# Allegro board MB1209_REVD_160617_FAB4.brd (continued)
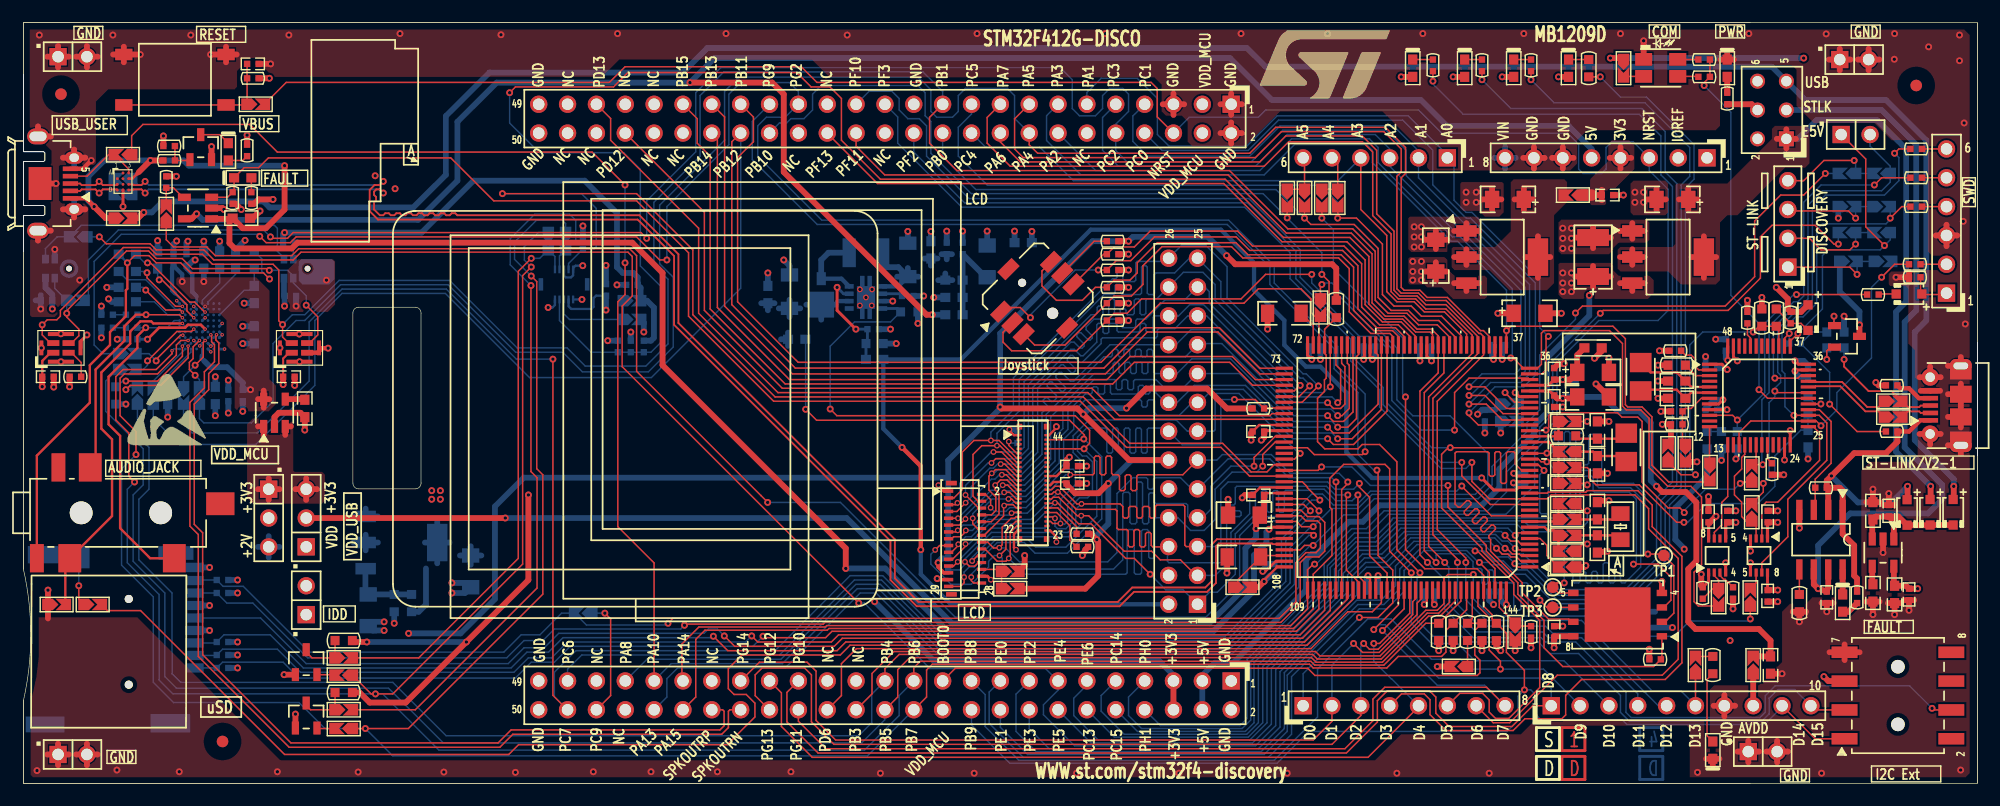
[diagram p0: board, top side]
## Routing (per net, layer and track width the routed paths; a pad name or vN(x,y) marks a point on that pad's centre or on a via; arc(x,y) is an arc through that point) (continued)
VDD: length 288.3
  TOP w0.178: C13.1 22.86,37.41 23.37,37.93 U5.1
  TOP w0.203: 1.65,35.81 1.66,35.82 1.66,37.21 2.38,37.93 U4.1 ; C72.1 91.69,26.54 90.68,26.54 90.4,26.26 90.11,26.26 CN8.33
  TOP w0.254: U10.1 148.35,17.79 R58.1 ; C36.2 153.53,17.03 U11.8
  TOP w0.279: C28.1 149.85,22.85 U10.5
  TOP w0.305: v1(80.52,19.43) 80.52,19.05 81.02,18.54 CN15.25
  TOP w0.508: R31.1 115.57,45.36 115.21,45.72 106.68,45.72 v1(105.92,46.48) ; U12.8 134.75,12.95 C37.1 v1(134.75,11.94) ; R72.2 v1(143.13,11.81) ; TR1.2 v1(23.94,6.1) ; v1(130.05,11.68) 129.67,12.06 R70.1 ; v1(158.5,9.4) 158.89,9 CN10.5 ; v1(95.5,26.42) 94.64,25.55 92.58,25.55 91.87,26.26 91.87,26.37 C72.1 ; v1(132.72,11.94) R71.1 ; R23.1 v1(97.28,47.75) ; v1(85.98,33.15) 86.11,33.02 92.79,33.02 v1(93.29,32.51) 97.33,28.47 CN7.12 ; R38.2 v1(4.06,34.92) ; R41.1 105.94,33.02 104.19,34.77 98.83,34.77 v1(97.1,33.05) ; R8.1 v1(21.65,62.1) ; SB42.1 93.47,17.14 94.61,18.29 94.61,21.34 v1(94.49,21.46) 93.98,21.97 R55.1 ; R59.1 v1(150.5,15.37) ; v1(22.86,35.13) C13.1 ; TR2.2 v1(22.94,9.57) ; R58.1 147.7,17.4 v1(147.7,18.41) ; v1(154.43,17.02) C36.2 ; R67.1 v1(125.86,11.68) ; v1(150.75,22.99) C28.1 ; R69.2 v1(128.4,11.68) ; R66.1 v1(124.59,11.68) ; v1(1.65,34.93) 1.65,35.81
  BOTTOM w0.229: v3(15.52,38.53) 15.52,38.53 U15.D2
  BOTTOM w0.508: v1(146.2,20.62) 146.2,20.68 145.41,21.46 145.41,24.26 148.21,27.05 R103.1 ; 81.41,26.92 44.04,26.92 41.5,24.38 41.5,16.23 38.48,13.21 v1(33.91,13.21) ; 81.41,26.92 R99.2 80.82,19.81 80.52,19.51 v1(80.52,19.43) ; 81.41,26.92 81.41,28.45 85.98,33.02 v1(85.98,33.15) 85.98,39.62 94.11,47.75 v1(97.28,47.75) 97.66,48.13 104.27,48.13 v1(105.92,46.48) ; R77.1 22.86,48.39 v1(22.99,48.51) 35.05,48.51 39.62,53.09 49.4,53.09 52.25,50.24 52.25,45.47 52.76,44.96 53.69,44.96 54.08,44.57 C87.2 54.33,43.65 SB44.1 54.9,42.51 55.5,41.91 55.5,39.24 55.24,38.99 54.61,38.99 ; C65.1 v1(16.89,35.81) ; R115.1 v1(18.85,16.76) ; R118.1 v1(18.85,11.3) ; v1(2.54,41.78) C50.1 2.54,43.05 1.94,43.65 U14.5 ; R82.2 v1(8.26,39.12) ; v1(94.49,21.46) 94.49,21.84 95.5,22.86 v1(95.5,26.42) 97.54,28.45 100.79,28.45 CN7.12 ; v1(22.99,42.04) C49.1 22.94,42.98 U13.5 ; R100.1 v1(145.16,13.72) ; R97.1 v1(9.02,33.4) ; R117.1 v1(18.85,12.45) ; v1(93.29,32.51) 93.83,33.05 v1(97.1,33.05) ; CN13.4 v1(16.38,13.46) ; R113.1 v1(18.85,17.91) ; R119.1 v1(18.85,10.16) ; C64.1 v1(18.03,35.51)
VDD_MCU: length 34.2
  TOP w0.203: U7.108 110.38,19.06 109.22,17.91 v1(109.22,17.78) ; U7.131 124.04,15.91 v1(124.21,15.75) ; v1(119.25,18.29) 119.04,18.08 U7.121
  TOP w0.254: v1(131.19,27.3) 131.43,27.06 U7.17 ; v1(113.41,37.34) 113.04,37.71 U7.72 ; v1(117.98,37.34) 118.04,37.4 U7.62 ; U7.39 129.54,38.61 129.54,37.47 v1(129.41,37.34) ; U7.52 123.04,37.32 v1(122.94,37.21) ; U7.144 v1(130.54,15.75) ; C20.1 109.29,31.06 U7.84
  TOP w0.508: v1(137.54,19.18) 137.41,19.05 SB26.2 ; v1(108.97,30.23) 109.22,30.48 C20.1 ; L1.1 138.94,38.07 v1(138.3,37.44) ; 108.33,17.27 108.71,17.27 v1(109.22,17.78) ; C9.1 v1(129.79,41.4)
  BOTTOM w0.508: v1(119.25,18.29) C76.1 ; v1(124.21,15.75) 124.21,16.76 C75.1 ; v1(130.54,15.75) 130.43,15.75 130.05,16.13 C74.1 ; SB34.2 129.54,32.89 C68.1 128.4,32.89 v1(128.02,32.51) ; v1(129.41,37.34) 129.29,37.47 129.29,38.48 129.41,38.61 ; C58.1 v1(122.94,37.21) ; v1(109.22,17.78) 109.73,18.29 C73.1 ; 113.16,38.48 113.16,37.59 v1(113.41,37.34) ; C71.1 v1(131.19,27.3) ; C59.1 v1(117.98,37.34)
VDD_USB33: length 98.5
  TOP w0.203: U7.95 109.38,25.56 C22.2
  TOP w0.508: v1(42.42,23.37) JP6.2 ; C22.2 109.22,24 C26.1 108.51,23.29 v1(108.51,22.43)
  BOTTOM w0.508: v1(42.42,23.37) 72.47,23.37 81.74,14.1 104.39,14.1 107.57,17.27 107.57,20.7 108.51,21.64 v1(108.51,22.43)
VDDA: length 8.1
  TOP w0.254: U7.33 134.25,35.06 C11.2
  TOP w0.508: C11.2 v1(135.51,35.56) 136.14,35.56 C10.1 136.78,37.72 L1.2
  BOTTOM w0.508: R91.2 v1(135.51,35.56)
VIN: length 11.6
  TOP w0.508: 141.63,43.37 U3.3 ; U3.3 142.71,44.06 ; U3.3 140.55,44.06 ; C7.1 139.75,44.64 ; C7.1 138.18,45.57 ; C7.1 138.18,43.71 ; C7.1 136.6,44.64
  BOTTOM w0.508: 129.49,55.09 CN2.8 ; CN2.8 130.43,54.15 ; CN2.8 130.43,56.03 ; CN2.8 131.37,55.09
  vias: v1(135.51,44.96) v1(135.51,44.07) v1(135.51,43.31) v1(136.27,44.96) v1(136.27,44.07) v1(136.27,43.31)
2_CKIN: length 78.9
  TOP w0.127: U7.70 114.04,41.02 SB15.1 113.67,41.15 113.35,41.47 113.35,42.67 112.46,43.56 108.71,43.56 107.44,42.29 100.08,42.29 94.87,37.08 68.2,37.08 62.87,42.42 62.87,55.12 64.26,56.52 64.26,58.69 63.14,59.82
A0: length 66.1
  TOP w0.127: v1(99.19,18.41) 97.79,19.81 97.03,19.81 93.98,22.86 92.89,22.86 91.03,24.71 v2(90.81,24.71) 90.75,24.66 90.11,24.66 CN8.29 ; CN15.21 81.8,19.74 82.93,20.88 v2(82.93,21.08) ; U7.10 129.22,23.56 126.62,26.16 v1(126.62,26.19)
  BOTTOM w0.127: v2(82.93,21.08) 83.24,21.08 85.01,22.86 88.95,22.86 v2(90.81,24.71) ; v1(99.19,18.41) 100.56,17.04 102.08,17.04 CN7.1 104.41,16.83 105.09,16.83 106.68,18.41 106.68,21.97 108.2,23.5 111.43,23.5 113.41,25.48 114.35,25.48 115.32,24.51 117.35,24.51 118.57,25.73 126.16,25.73 v1(126.62,26.19)
AIN_1: length 25.9
  TOP w0.127: v1(150.88,32) 150.47,32.41 U6.10 ; R29.2 v1(156.08,43.05)
  BOTTOM w0.127: v1(156.08,43.05) 155.83,43.05 153.29,40.51 153.29,34.42 v1(150.88,32) R101.2 R102.2 R103.2
BLGND: length 12.7
  BOTTOM w0.381: U17.3 v1(76.53,42.47)
  BOTTOM w0.508: R47.2 v1(79.25,42.93) ; C81.2 v1(77.85,48.62) ; C78.1 v1(79.88,48.62) ; 84.84,47.37 v1(84.84,48.64) ; v1(66.93,46.1) 67.44,45.59 C77.2 ; C85.1 v1(81.28,48.64) ; R43.1 v1(78.74,40.51) ; R50.1 v1(76.33,40.01) ; C79.1 v1(65.53,44.96) ; L6.2 v1(87.25,48.64) ; C83.2 v1(82.68,48.64)
  vias: v2(73.63,43.51) v2(73.63,42.09) v2(74.17,42.8) v2(74.7,43.51) v2(74.68,42.09)
BOOT0: length 57.3
  TOP w0.127: U7.138 127.54,14.51 127.13,14.1 128.4,14.1 127.76,13.46 127.76,11.3 128.22,10.85 128.22,9.73 127.99,9.5 113.69,9.5 113.06,10.13 82.04,10.13 80.92,9.02
D0: length 55.9
  TOP w0.127: U7.85 110.19,30.56 108.33,28.7 v1(108.33,27.94) ; CN8.21 87.44,22.67 86.87,22.1 86.87,19.94 v2(86.74,19.81) 86.49,19.56 85.72,19.56 84.64,20.64 CN15.18
  BOTTOM w0.127: v2(86.74,19.81) 87.68,18.87 95.96,18.87 96.77,19.68 96.77,25.5 96.9,25.63 97.28,25.63 97.41,25.5 97.41,22.99 97.54,22.86 97.88,22.86 98.01,22.99 98.01,26.42 98.13,26.54 98.39,26.54 98.51,26.42 98.51,22.99 98.64,22.86 98.93,22.86 99.06,22.99 99.06,25.45 99.19,25.58 99.44,25.58 99.57,25.45 99.57,24.77 99.69,24.64 102.36,24.64 102.49,24.51 102.49,23.52 102.62,23.39 CN7.7 103.78,23.39 104.52,24.13 104.52,26.16 106.3,27.94 v1(108.33,27.94)
D1: length 63.8
  TOP w0.127: U7.86 110.2,30.06 109.09,28.96 v1(109.09,27.94) ; v2(85.93,20.07) 86.49,20.62 86.49,22.2 87.35,23.06 87.64,23.06 CN8.20 ; CN15.17 80.64,20.94 v2(80.26,20.56)
  BOTTOM w0.127: v1(109.09,27.94) 108.56,27.41 106.4,27.41 104.9,25.91 104.9,23.24 103.94,22.28 102.74,22.28 101.63,23.39 CN7.8 99.69,23.39 99.57,23.27 99.57,19.94 99.44,19.81 99.19,19.81 99.06,19.94 99.06,22.23 98.93,22.35 98.55,22.35 98.42,22.23 98.42,18.54 98.3,18.41 97.92,18.41 97.79,18.54 97.79,22.23 97.66,22.35 97.28,22.35 97.16,22.23 97.16,18.54 97.03,18.41 87.12,18.41 86.17,19.37 86.17,19.82 v2(85.93,20.07) 85.47,20.07 84.96,19.56 84.96,19.05 83.44,17.53 81.66,17.53 79.88,19.3 79.88,20.18 v2(80.26,20.56)
D2: length 55.4
  TOP w0.127: CN15.16 84.88,21.24 85.39,20.73 85.88,20.73 v2(85.9,20.75) 86.16,21.01 86.16,22.56 86.94,23.34 87.25,23.34 87.37,23.47 CN8.19 ; v1(115.54,26.54) U7.114
  BOTTOM w0.127: v2(85.9,20.75) 85.93,20.73 86.46,20.73 87.68,19.51 95.45,19.51 96.27,20.32 96.27,25.53 97.66,26.92 98.85,26.92 98.97,26.8 98.97,26.04 99.1,25.91 99.35,25.91 99.48,26.04 99.48,26.8 99.61,26.92 101.85,26.92 102.84,25.93 CN7.9 103.4,25.93 106.05,28.57 109.73,28.57 111.38,26.92 115.16,26.92 v1(115.54,26.54)
D3: length 60.7
  TOP w0.127: CN7.11 102.06,27.18 98.13,27.18 98.01,27.05 98.01,25.91 97.88,25.78 97.63,25.78 97.5,25.91 97.5,27.05 97.37,27.18 97.12,27.18 96.99,27.05 96.99,25.91 96.86,25.78 96.61,25.78 96.48,25.91 96.48,27.05 96.36,27.18 95.92,27.18 95.79,27.3 95.79,28.7 95.66,28.83 95.41,28.83 95.28,28.7 95.28,27.3 95.16,27.18 94.9,27.18 94.77,27.3 94.77,28.7 94.65,28.83 94.39,28.83 94.27,28.7 94.27,27.3 94.14,27.18 v2(92.15,27.18) ; v2(82.96,22.28) 82.78,22.1 82.78,22 82.5,21.72 81.88,21.72 81.71,21.54 CN15.15 ; CN8.18 87.05,23.87 v2(86.99,23.8) ; U7.115 116.04,25.87 116.59,26.42 v1(116.59,26.54)
  BOTTOM w0.127: CN7.11 105.05,28.47 105.54,28.96 109.86,28.96 111.51,27.3 115.82,27.3 v1(116.59,26.54) ; v2(82.96,22.28) 83.54,22.28 84.89,23.62 86.81,23.62 v2(86.99,23.8) 88.37,23.8 91.74,27.18 v2(92.15,27.18)
D4: length 57
  TOP w0.127: CN15.14 84.58,21.84 86.28,23.55 86.28,24.41 v2(86.33,24.46) 86.41,24.54 87.12,24.54 87.39,24.27 CN8.17 ; U7.58 120.04,38.61 120.04,32.79 117.09,29.84 115.32,29.84 v1(114.81,30.35)
  BOTTOM w0.127: v2(86.33,24.46) 86.46,24.59 86.97,24.59 87.17,24.79 88.27,24.79 91.57,28.09 91.57,30.3 92.46,31.19 92.46,32.77 93.47,33.78 98.31,33.78 98.43,33.66 98.43,33.27 98.56,33.15 98.81,33.15 98.94,33.27 98.94,33.66 99.07,33.78 99.44,33.78 99.57,33.66 99.57,32.64 99.8,32.41 101.75,32.41 102.9,33.55 CN7.15 103.53,33.55 104.67,34.7 107.39,34.7 111.73,30.35 v1(114.81,30.35)
D5: length 61.3
  TOP w0.127: CN8.16 87.37,24.67 87,25.04 v2(86.72,25.04) ; v2(82.25,22.28) 82.22,22.28 82.08,22.14 CN15.13 ; U7.59 119.54,32.93 116.97,30.35 v1(115.7,30.35)
  BOTTOM w0.127: v1(115.7,30.35) 115.19,30.86 111.76,30.86 107.57,35.05 103.07,35.05 101.57,33.55 CN7.16 100.53,33.55 99.67,34.42 99.67,34.92 99.54,35.05 99.29,35.05 99.16,34.92 99.16,34.42 99.03,34.29 98.78,34.29 98.65,34.42 98.65,34.92 98.53,35.05 98.27,35.05 98.14,34.92 98.14,34.42 98.02,34.29 95.82,34.29 95.69,34.42 95.69,35.05 95.56,35.18 95.31,35.18 95.18,35.05 95.18,34.42 95.05,34.29 94.72,34.29 94.59,34.42 94.59,34.8 94.47,34.92 94.21,34.92 94.09,34.8 94.09,34.42 93.96,34.29 93.47,34.29 91.95,32.77 91.95,31.19 91.19,30.43 91.19,28.22 88.24,25.27 86.97,25.27 86.74,25.04 v2(86.72,25.04) 85.27,25.04 84.1,23.88 84.1,23.24 83.61,22.75 82.71,22.75 v2(82.25,22.28)
D6: length 58.5
  TOP w0.127: CN8.15 87.38,25.07 86.82,25.63 v2(86.33,25.63) ; CN15.12 83.98,22.44 83.57,22.86 v2(83.57,23.34) ; v1(114.81,31.37) 115.32,30.86 116.71,30.86 119.25,33.4 119.25,37.72 119.04,37.93 U7.60
  BOTTOM w0.127: v1(114.81,31.37) 111.76,31.37 107.04,36.09 CN7.17 102.06,34.8 100.46,34.8 99.69,35.56 97.85,35.56 97.72,35.43 97.72,34.8 97.6,34.67 97.34,34.67 97.21,34.8 97.21,35.43 97.09,35.56 96.83,35.56 96.71,35.43 96.71,34.8 96.58,34.67 96.33,34.67 96.2,34.8 96.2,35.43 96.07,35.56 94.23,35.56 91.5,32.83 91.5,31.25 90.81,30.56 90.81,28.4 88.16,25.76 86.46,25.76 v2(86.33,25.63) 86.16,25.45 85.27,25.45 83.57,23.75 v2(83.57,23.34)
D7: length 62.2
  TOP w0.127: v1(115.7,31.37) 116.59,31.37 117.35,32.13 117.35,37.59 117.54,37.79 U7.63 ; v2(82.92,23.29) 82.38,22.74 CN15.11 ; v2(86.21,26.26) 86.64,26.26 87.44,25.47 CN8.14
  BOTTOM w0.127: v2(82.92,23.29) 82.92,23.56 85.17,25.81 85.75,25.81 v2(86.21,26.26) 88.14,26.26 90.42,28.55 90.42,32.26 94.26,36.09 95.81,36.09 95.93,36.22 95.93,36.96 96.06,37.08 96.32,37.08 96.44,36.96 96.44,36.22 96.57,36.09 96.82,36.09 96.95,36.22 96.95,36.96 97.08,37.08 97.33,37.08 97.46,36.96 97.46,36.22 97.59,36.09 97.84,36.09 97.97,36.22 97.97,36.96 98.09,37.08 98.35,37.08 98.47,36.96 98.47,36.22 98.6,36.09 98.86,36.09 98.98,36.22 98.98,36.96 99.11,37.08 99.36,37.08 99.49,36.96 99.49,36.22 99.62,36.09 CN7.18 101.55,36.09 102.84,37.39 106.27,37.39 111.79,31.88 115.19,31.88 v1(115.7,31.37)
D8: length 59.2
  TOP w0.127: U7.64 117.04,32.71 116.2,31.88 115.32,31.88 v1(114.81,32.38) ; CN15.10 85.2,23.04 85.88,23.72 85.88,25.5 85.5,25.88 85.5,26.21 v2(85.55,26.26) 86,26.72 86.59,26.72 87.44,25.87 CN8.13
  BOTTOM w0.127: v2(85.55,26.26) 86,26.72 88.04,26.72 90.04,28.73 90.04,32.51 95.1,37.57 95.73,37.57 95.86,37.69 95.86,38.1 95.98,38.23 96.24,38.23 96.37,38.1 96.37,37.69 96.49,37.57 96.75,37.57 96.87,37.69 96.87,38.1 97,38.23 97.25,38.23 97.38,38.1 97.38,37.69 97.51,37.57 97.76,37.57 97.89,37.69 97.89,38.1 98.02,38.23 98.27,38.23 98.4,38.1 98.4,37.69 98.52,37.57 98.78,37.57 98.91,37.69 98.91,38.1 99.03,38.23 99.29,38.23 99.41,38.1 99.41,37.69 99.54,37.57 102.29,37.57 CN7.19 103.45,38.73 105.49,38.73 111.84,32.38 v1(114.81,32.38)
D9: length 61.7
  TOP w0.127: CN8.12 87.42,26.27 86.51,27.18 v2(86.13,27.18) ; CN15.9 v2(82.27,23.34) ; U7.65 116.54,37 116.71,36.83 116.71,33.02 116.08,32.38 v1(115.7,32.38)
  BOTTOM w0.127: v2(82.27,23.34) 82.27,23.37 84.05,25.15 84.05,25.63 85.22,26.8 85.52,26.8 85.9,27.18 v2(86.13,27.18) 87.86,27.18 89.66,28.98 89.66,32.64 90.12,33.09 90.12,33.27 89.79,33.6 89.79,33.78 89.97,33.96 90.15,33.96 90.48,33.63 90.66,33.63 90.93,33.91 90.93,34.16 90.13,34.96 90.13,35.14 90.35,35.36 90.53,35.36 91.37,34.52 91.55,34.52 91.73,34.7 91.73,34.88 90.89,35.72 90.89,35.9 91.19,36.2 91.39,36.2 92.15,35.43 92.46,35.43 95.66,38.63 CN7.20 101.45,38.63 102.77,39.95 104.8,39.95 111.79,32.97 115.11,32.97 v1(115.7,32.38)
D10: length 60.3
  TOP w0.127: CN15.8 85.21,23.64 85.6,24.03 85.6,25.22 84.99,25.83 84.99,27.05 v2(85.24,27.3) 85.57,27.64 86.46,27.64 87.43,26.67 CN8.11 ; U7.66 116.04,36.99 116.33,36.7 116.33,33.4 115.95,33.02 115.32,33.02 v1(114.81,33.53)
  BOTTOM w0.127: v1(114.81,33.53) 111.81,33.53 104.17,41.17 CN7.21 102.49,41.17 101.37,40.06 99.95,40.06 99.82,39.93 99.82,39.37 99.69,39.24 95,39.24 94.87,39.12 94.87,38.73 93.22,37.08 92.96,37.08 92.36,37.69 92.18,37.69 91.89,37.41 91.89,37.23 92.6,36.52 92.6,36.34 92.42,36.16 92.24,36.16 91.54,36.87 91.36,36.87 89.28,34.8 89.28,29.16 87.76,27.64 85.78,27.64 85.45,27.3 v2(85.24,27.3)
D11: length 62.3
  TOP w0.127: v1(115.7,33.53) 115.95,33.78 115.95,36.45 115.54,36.86 U7.67 ; v2(82.94,24.71) 82.17,23.94 CN15.7 ; CN8.10 87.44,27.07 86.39,28.12 v2(86.03,28.12)
  BOTTOM w0.127: v1(115.7,33.53) 115.19,34.04 112.01,34.04 103.89,42.16 102.67,42.16 101.68,41.17 CN7.22 99.57,41.17 99.44,41.05 99.44,39.88 99.31,39.75 98.93,39.75 98.81,39.88 98.81,40.39 98.68,40.51 98.42,40.51 98.3,40.39 98.3,39.88 98.17,39.75 96.39,39.75 96.27,39.88 96.27,40.39 96.14,40.51 95.67,40.51 95.54,40.39 95.54,39.75 95.42,39.62 95.16,39.62 95.04,39.75 95.04,40.39 94.91,40.51 94.61,40.51 94.49,40.39 94.49,38.86 93.29,37.66 93.08,37.66 92.51,38.23 92.2,38.23 88.85,34.87 88.85,29.34 87.63,28.12 v2(86.03,28.12) 85.75,28.12 85.39,27.76 85.06,27.76 83.44,26.14 83.44,25.22 82.94,24.72 v2(82.94,24.71)
D12: length 61.8
  TOP w0.127: v2(82.93,25.4) 84.09,24.24 CN15.6 ; v2(85.22,28.22) 85.6,28.6 86.31,28.6 87.44,27.47 CN8.9 ; v1(115.04,34.92) U7.68
  BOTTOM w0.127: v2(82.93,25.4) 82.93,26.24 84.91,28.22 v2(85.22,28.22) 85.57,28.57 87.55,28.57 88.47,29.49 88.47,35.13 92.2,38.86 92.49,38.86 93.02,38.33 93.2,38.33 93.38,38.51 93.38,38.69 92.73,39.34 92.73,39.52 92.91,39.7 93.09,39.7 93.74,39.05 93.91,39.05 94.09,39.23 94.09,39.41 93.55,39.96 93.55,40.21 94.23,40.89 96.52,40.89 96.65,40.77 96.65,40.26 96.77,40.13 97.79,40.13 97.92,40.26 97.92,40.77 98.04,40.89 98.81,40.89 100.48,42.57 102.21,42.57 CN7.23 103.99,43.71 104.39,43.31 104.39,42.29 112.27,34.42 114.43,34.42 114.94,34.92 v1(115.04,34.92)
D13: length 60.7
  TOP w0.127: v2(85.39,29.18) 86.11,29.18 87.42,27.87 CN8.8 ; v2(82.22,24.7) 82.06,24.54 CN15.5 ; v1(112.39,35.05) 112.36,35.05 111.87,34.56 U7.77
  BOTTOM w0.127: v1(112.39,35.05) 104.9,42.55 104.9,43.94 103.84,45.01 102.11,45.01 CN7.24 99.77,42.67 98.93,42.67 98.81,42.55 98.81,41.4 98.68,41.27 98.42,41.27 98.3,41.4 98.3,42.55 98.17,42.67 97.92,42.67 97.79,42.55 97.79,41.4 97.66,41.27 97.19,41.27 97.06,41.4 97.06,41.67 96.94,41.8 96.68,41.8 96.55,41.67 96.55,41.4 96.43,41.27 96.17,41.27 96.05,41.4 96.05,42.55 95.92,42.67 95.67,42.67 95.54,42.55 95.54,41.4 95.41,41.27 95.16,41.27 95.03,41.4 95.03,41.91 94.9,42.04 94.65,42.04 94.52,41.91 94.52,41.4 94.4,41.27 93.98,41.27 88.09,35.38 88.09,29.62 87.66,29.18 v2(85.39,29.18) 85.19,29.18 82.42,26.42 82.42,24.92 82.22,24.72 v2(82.22,24.7)
D14: length 61.7
  TOP w0.127: CN8.7 87.43,28.27 85.95,29.74 v2(85.7,29.74) 84.37,29.74 83.59,28.97 83.59,25.29 84.04,24.84 CN15.4 ; U7.78 112.29,34.06 v1(113.23,35)
  BOTTOM w0.127: v2(85.7,29.74) 85.7,30.84 87.66,32.79 87.66,35.59 95.12,43.05 95.97,43.05 96.1,43.18 96.1,43.81 96.22,43.94 96.48,43.94 96.6,43.81 96.6,43.18 96.73,43.05 98.3,43.05 98.42,43.18 98.42,45.47 98.55,45.59 98.81,45.59 98.93,45.47 98.93,43.18 99.06,43.05 99.44,43.05 99.57,43.18 99.57,44.83 99.69,44.96 101.35,44.96 102.64,46.25 CN7.25 105.41,44.2 105.41,42.67 112.39,35.69 112.65,35.69 113.23,35.1 v1(113.23,35)
D15: length 61.7
  TOP w0.127: U7.79 112.56,33.56 v1(114,35) ; CN8.6 87.41,28.67 85.88,30.2 v2(85.17,30.2) 83.67,30.2 82.65,29.18 82.65,25.88 81.91,25.14 CN15.3
  BOTTOM w0.127: v2(85.17,30.2) 85.17,30.94 87.15,32.92 87.15,35.71 95.89,44.45 96.15,44.45 96.27,44.58 96.27,45.09 96.4,45.21 96.65,45.21 96.78,45.09 96.78,44.32 96.91,44.2 97.79,44.2 97.92,44.32 97.92,45.85 98.04,45.97 100.53,45.97 CN7.26 101.93,47.37 104.09,47.37 105.96,45.5 105.96,42.76 112.65,36.07 112.93,36.07 v1(114,35)
E5V: length 61
  TOP w0.508: 141.63,45.67 U3.2 ; U3.2 142.71,46.35 ; U3.2 141.63,47.04 ; U3.2 140.55,46.35 ; U3.4 149.01,46.35 ; U3.4 146.85,46.35 ; U3.4 147.93,44.53 ; U3.4 147.93,48.18 ; C4.1 147.37,51.44 ; C4.1 145.74,51.44 ; C4.1 146.56,50.49 ; C4.1 146.56,52.38 ; 155.19,55.93 JP3.1 ; JP3.1 156.03,56.77 ; JP3.1 155.19,57.61 ; JP3.1 154.36,56.77 ; D5.1 167.89,25.05 v1(167.89,26.16)
  BOTTOM w0.508: v1(167.89,26.16) 164.85,29.21 164.85,41.53 165.74,42.42 165.74,55.88 163.19,58.42 157.86,58.42 156.21,56.77 JP3.1
FMC_NE1: length 70.4
  TOP w0.127: U7.123 120.04,18.51 118.5,20.05 118.5,25.19 117.6,26.09 v1(117.6,26.42) ; CN8.32 90.51,25.87 90.81,26.16 91.19,26.16 92.74,24.61 v2(93.14,24.61) 96.55,24.61 96.78,24.38 96.78,23.5 96.91,23.37 97.16,23.37 97.29,23.5 97.29,24.26 97.42,24.38 97.88,24.38 98,24.26 98,23.5 98.13,23.37 98.39,23.37 98.51,23.5 98.51,24.26 98.64,24.38 99.01,24.38 99.14,24.26 99.14,23.5 99.26,23.37 99.52,23.37 99.64,23.5 99.64,24.38 99.77,24.51 102.11,24.51 102.23,24.38 102.23,20.98 102.36,20.85 CN7.5 ; CN15.22 84.06,19.44 83.75,19.13 83.26,19.13 v2(82.88,19.51)
  BOTTOM w0.127: v1(117.6,26.42) 117.09,25.91 115.44,25.91 114.81,26.54 106.05,26.54 105.41,25.91 105.41,20.98 105.28,20.85 CN7.5 ; v2(93.14,24.61) 93.12,24.61 92.63,24.13 92.63,22.78 91.95,22.1 85.22,22.1 82.88,19.76 v2(82.88,19.51) 82.88,19.28 82.4,18.8 R99.1
FMC_NOE: length 66.3
  TOP w0.127: U7.118 117.54,17.71 116.46,18.8 116.46,25.27 v1(116.59,25.4) ; CN8.31 90.52,25.47 90.7,25.65 v2(91.06,25.65) 91.16,25.65 92.68,24.13 96.14,24.13 96.27,24 96.27,22.48 96.39,22.35 97.12,22.35 97.25,22.23 97.25,20.95 97.38,20.83 97.63,20.83 97.76,20.95 97.76,22.23 97.88,22.35 98.14,22.35 98.27,22.23 98.27,20.95 98.39,20.83 98.65,20.83 98.77,20.95 98.77,21.97 98.9,22.1 99.15,22.1 99.28,21.97 99.28,20.95 99.41,20.83 100.79,20.83 CN7.6 ; CN15.19 81.68,20.34 82.3,20.95 v2(82.3,21.06)
  BOTTOM w0.127: CN7.6 100.71,20.75 100.71,19.56 100.84,19.43 105.54,19.43 105.92,19.81 105.92,23.37 106.05,23.5 107.06,23.5 107.19,23.62 107.19,23.88 107.06,24 106.05,24 105.92,24.13 105.92,24.38 106.05,24.51 106.55,24.51 106.68,24.64 106.68,26.04 106.81,26.16 114.71,26.16 115.47,25.4 v1(116.59,25.4) ; v2(91.06,25.65) 91.06,25.6 88.7,23.24 84.96,23.24 83.44,21.72 82.93,21.72 82.3,21.08 v2(82.3,21.06)
FMC_NWE: length 68.4
  TOP w0.127: U7.119 118.04,17.72 117.47,18.29 v1(117.47,25.4) ; CN7.3 103.23,18.31 101.85,19.68 100.08,19.68 99.31,20.45 96.9,20.45 93.78,23.57 v2(93.12,23.57) 92.76,23.57 91.14,25.2 90.65,25.2 90.5,25.04 90.13,25.04 CN8.30 ; v2(83.52,19.58) 83.97,20.04 CN15.20
  BOTTOM w0.127: CN7.3 104.93,18.31 106.3,19.68 106.3,22.1 107.95,23.75 107.95,25.53 108.08,25.65 108.33,25.65 108.46,25.53 108.46,24 108.58,23.88 108.84,23.88 108.97,24 108.97,25.65 109.09,25.78 109.35,25.78 109.47,25.65 109.47,24 109.6,23.88 109.86,23.88 109.98,24 109.98,25.65 110.11,25.78 110.36,25.78 110.49,25.65 110.49,24 110.62,23.88 110.87,23.88 111,24 111,25.68 111.12,25.81 113.18,25.81 113.28,25.91 114.5,25.91 115.52,24.89 116.97,24.89 v1(117.47,25.4) ; v2(93.12,23.57) 93.12,22.83 92,21.72 85.34,21.72 83.52,19.89 v2(83.52,19.58)
I2C1_SCL: length 212.7
  TOP w0.127: 78.38,9.02 78.38,10.18 78.94,10.74 113.33,10.74 113.67,10.41 119.76,10.41 123.44,14.1 124.59,14.1 126.54,16.05 U7.136 ; v1(9.78,26.54) 9.27,27.05 9.27,30.86 8.13,32 8.13,35.81 8.76,36.45 11.68,36.45 13.08,37.85 v3(13.08,38.1) ; SB40.2 30.61,7.87 v1(30.99,7.87) 32.51,7.87 43.94,19.3 43.94,44.72 v1(44.7,45.48)
  BOTTOM w0.127: v1(44.7,45.48) 44.09,46.09 44.09,47.29 45.33,48.52 SB38.2 ; v3(13.08,38.1) 13.24,38.26 U15.H1 ; v1(9.78,26.54) 9.14,25.91 9.14,19.43 11.94,16.64 11.94,9.1 13.16,7.87 v1(30.99,7.87) 31.62,7.87 36.58,2.92 74.04,2.92 77.09,5.97 77.09,7.73 78.38,9.02
I2C1_SCL_CTP: length 48.9
  TOP w0.127: v1(44.7,46.24) 43.56,45.1 43.56,19.81 34.8,11.05 SB39.1
  BOTTOM w0.127: CN14.5 46.79,46.41 SB38.1 45.45,46.24 v1(44.7,46.24)
I2C1_SDA: length 225.4
  TOP w0.127: v1(44.7,44.68) 45.19,44.2 45.19,27.71 45.72,27.18 45.72,16.66 33.88,4.83 v1(30.1,4.83) SB37.2 ; U7.137 127.04,15.28 125.22,13.46 125.22,11.56 124.84,11.18 121.03,11.18 120.02,10.16 113.54,10.16 113.21,10.49 80.01,10.49 79.5,9.98 79.5,7.6 78.38,6.48 ; v1(9.91,28.96) 9.91,30.99 8.51,32.38 8.51,35.69 8.89,36.07 11.81,36.07 13.46,37.72 13.46,38.61 13.86,39.01 v3(14.49,39.01)
  BOTTOM w0.127: U15.F3 14.74,39.26 v3(14.49,39.01) ; v1(9.91,28.96) 8.64,27.69 8.64,19.22 11.43,16.43 11.43,8.89 13.21,7.11 24.26,7.11 26.54,4.83 v1(30.1,4.83) 32.51,2.41 74.3,2.41 78.36,6.48 78.38,6.48 ; SB17.2 47.73,49.32 47.42,49.62 45.19,49.62 43.23,47.67 43.23,46.15 v1(44.7,44.68)
I2C1_SDA_CTP: length 64.2
  TOP w0.127: SB36.1 34.49,6.48 45.21,17.2 45.21,26.92 44.68,27.46 v1(44.68,43.84)
  BOTTOM w0.127: CN14.4 47.19,46.45 SB17.1 48.62,47.88 48.62,49.6 48.08,50.13 45.01,50.13 42.85,47.97 42.85,45.67 v1(44.68,43.84)
IM0: length 3.9
  TOP w0.127: R55.2 92.71,22.61 91.06,24.26 90.42,24.26 90.41,24.27 CN8.28
IM1: length 4.6
  TOP w0.127: R57.2 92.13,21.41 92.13,22.68 90.96,23.85 90.3,23.85 90.28,23.87 CN8.27
LCD_RESET: length 64.2
  TOP w0.127: v1(106.6,33.81) 108.43,33.81 R41.2 109.26,33.06 U7.80 ; v2(90.81,23.34) 90.68,23.47 CN8.26 ; CN15.23 81.88,19.14 v2(82.25,19.51)
  BOTTOM w0.127: v1(106.6,33.81) 105.54,33.81 105.41,33.68 105.41,29.95 105.28,29.82 102.01,29.82 CN7.14 100.53,31.29 99.05,31.29 98.93,31.17 98.93,29.21 98.8,29.08 98.55,29.08 98.42,29.21 98.42,31.17 98.29,31.29 98.04,31.29 97.91,31.17 97.91,29.21 97.78,29.08 97.53,29.08 97.4,29.21 97.4,31.17 97.28,31.29 97.02,31.29 96.9,31.17 96.9,29.21 96.77,29.08 96.51,29.08 96.39,29.21 96.39,31.17 96.26,31.29 96.01,31.29 95.88,31.17 95.88,29.21 95.75,29.08 95.5,29.08 95.37,29.21 95.37,31.17 95.24,31.29 93.6,31.29 92.79,30.48 92.79,29.26 93.22,28.83 93.6,28.83 94.11,28.32 94.11,25.58 93.68,25.15 92.96,25.15 92.3,24.49 92.3,22.96 91.77,22.43 91.03,22.43 90.81,22.66 v2(90.81,23.34) 90.81,23.37 90.68,23.5 90.17,23.5 90.04,23.37 90.04,22.61 89.92,22.48 85.17,22.48 82.25,19.56 v2(82.25,19.51)
LCD_TE: length 54.2
  TOP w0.127: CN8.25 90.42,23.07 90.6,22.89 v2(91.29,22.89) ; v1(112.39,29.06) 111.9,28.56 U7.89 ; v2(85.14,24.28) 85.14,24.99 84.69,25.44 CN15.2
  BOTTOM w0.127: v2(85.14,24.28) 85.47,23.95 86.49,23.95 86.82,24.28 88.27,24.28 91.64,27.66 92.41,27.66 92.61,27.46 92.61,26.31 91.29,24.99 v2(91.29,22.89) 91.36,22.81 91.64,22.81 91.92,23.09 91.92,24.61 92.99,25.68 92.99,28.55 92.41,29.13 92.41,30.61 93.8,32 101.47,32 102.46,31.01 CN7.13 104.78,31.01 104.9,31.14 104.9,34.21 105.03,34.34 107.01,34.34 112.29,29.06 v1(112.39,29.06)
LED_STLINK: length 36
  TOP w0.127: U6.30 153.54,33.91 v1(152.78,34.67) ; v1(147.96,61.47) 147.96,61.72 R7.1 R1.1
  BOTTOM w0.127: v1(152.78,34.67) 152.78,40.51 150.3,42.99 150.3,59.12 v1(147.96,61.47)
LEDA: length 59.1
  TOP w0.127: CN15.28 83.65,17.64 83.44,17.86 v2(83.44,18.16) ; CN8.43 93.28,30.27 v1(93.34,30.33) 93.4,30.38 93.4,30.68 92.1,31.98 69.82,31.98 v1(68.86,32.94)
  BOTTOM w0.127: v1(93.34,30.33) 93.37,30.33 94.92,28.78 94.92,23.29 91.9,20.27 89.05,20.27 88.11,21.21 85.72,21.21 84.45,19.94 84.45,19.43 83.44,18.41 v2(83.44,18.16) ; v1(68.86,32.94) 68.86,39.09 L2.2
LEDK: length 66.8
  TOP w0.127: v2(82.8,18.16) 82.8,17.65 82.49,17.34 CN15.29 ; CN8.41 92.58,29.47 92.58,29.46 v1(93.37,29.46) 93.85,29.95 93.85,31.11 92.58,32.38 71.6,32.38 v1(71.02,32.97)
  BOTTOM w0.127: v1(71.02,32.97) 71.02,38.51 73.15,40.64 76.33,40.64 R43.2 ; v1(93.37,29.46) 94.49,28.35 94.49,23.52 91.77,20.8 89.1,20.8 88.44,21.46 85.57,21.46 84.07,19.96 84.07,19.43 83.69,19.05 83.25,19.05 82.8,18.61 v2(82.8,18.16)
  BOTTOM w0.254: U17.4 76.92,41.82 R43.2
MCO: length 2.5
  TOP w0.127: U6.29 v1(158.23,33.41)
  BOTTOM w0.127: v1(158.23,33.41) 157.72,33.41 R53.2
MICROAB_N: length 5.9
  TOP w0.155: CN3.2 4.99,52.18 5.12,52.32 6.34,52.32 v1(6.66,52) 6.99,52.32 8.21,52.32 D1.D1
  BOTTOM w0.155: v1(6.66,52) 6.66,52 6.99,52.32 7.62,52.32 7.87,52.07
MICROAB_P: length 5.8
  TOP w0.155: CN3.3 4.99,52.83 5.12,52.7 6.34,52.7 v1(6.66,53.02) 6.99,52.7 8.2,52.7 D1.C1
  BOTTOM w0.155: v1(6.66,53.02) 6.67,53.02 6.99,52.7 7.5,52.7 7.76,52.96